# KiCad board Inn BEC Panelized_panelized.kicad_pcb (continued)
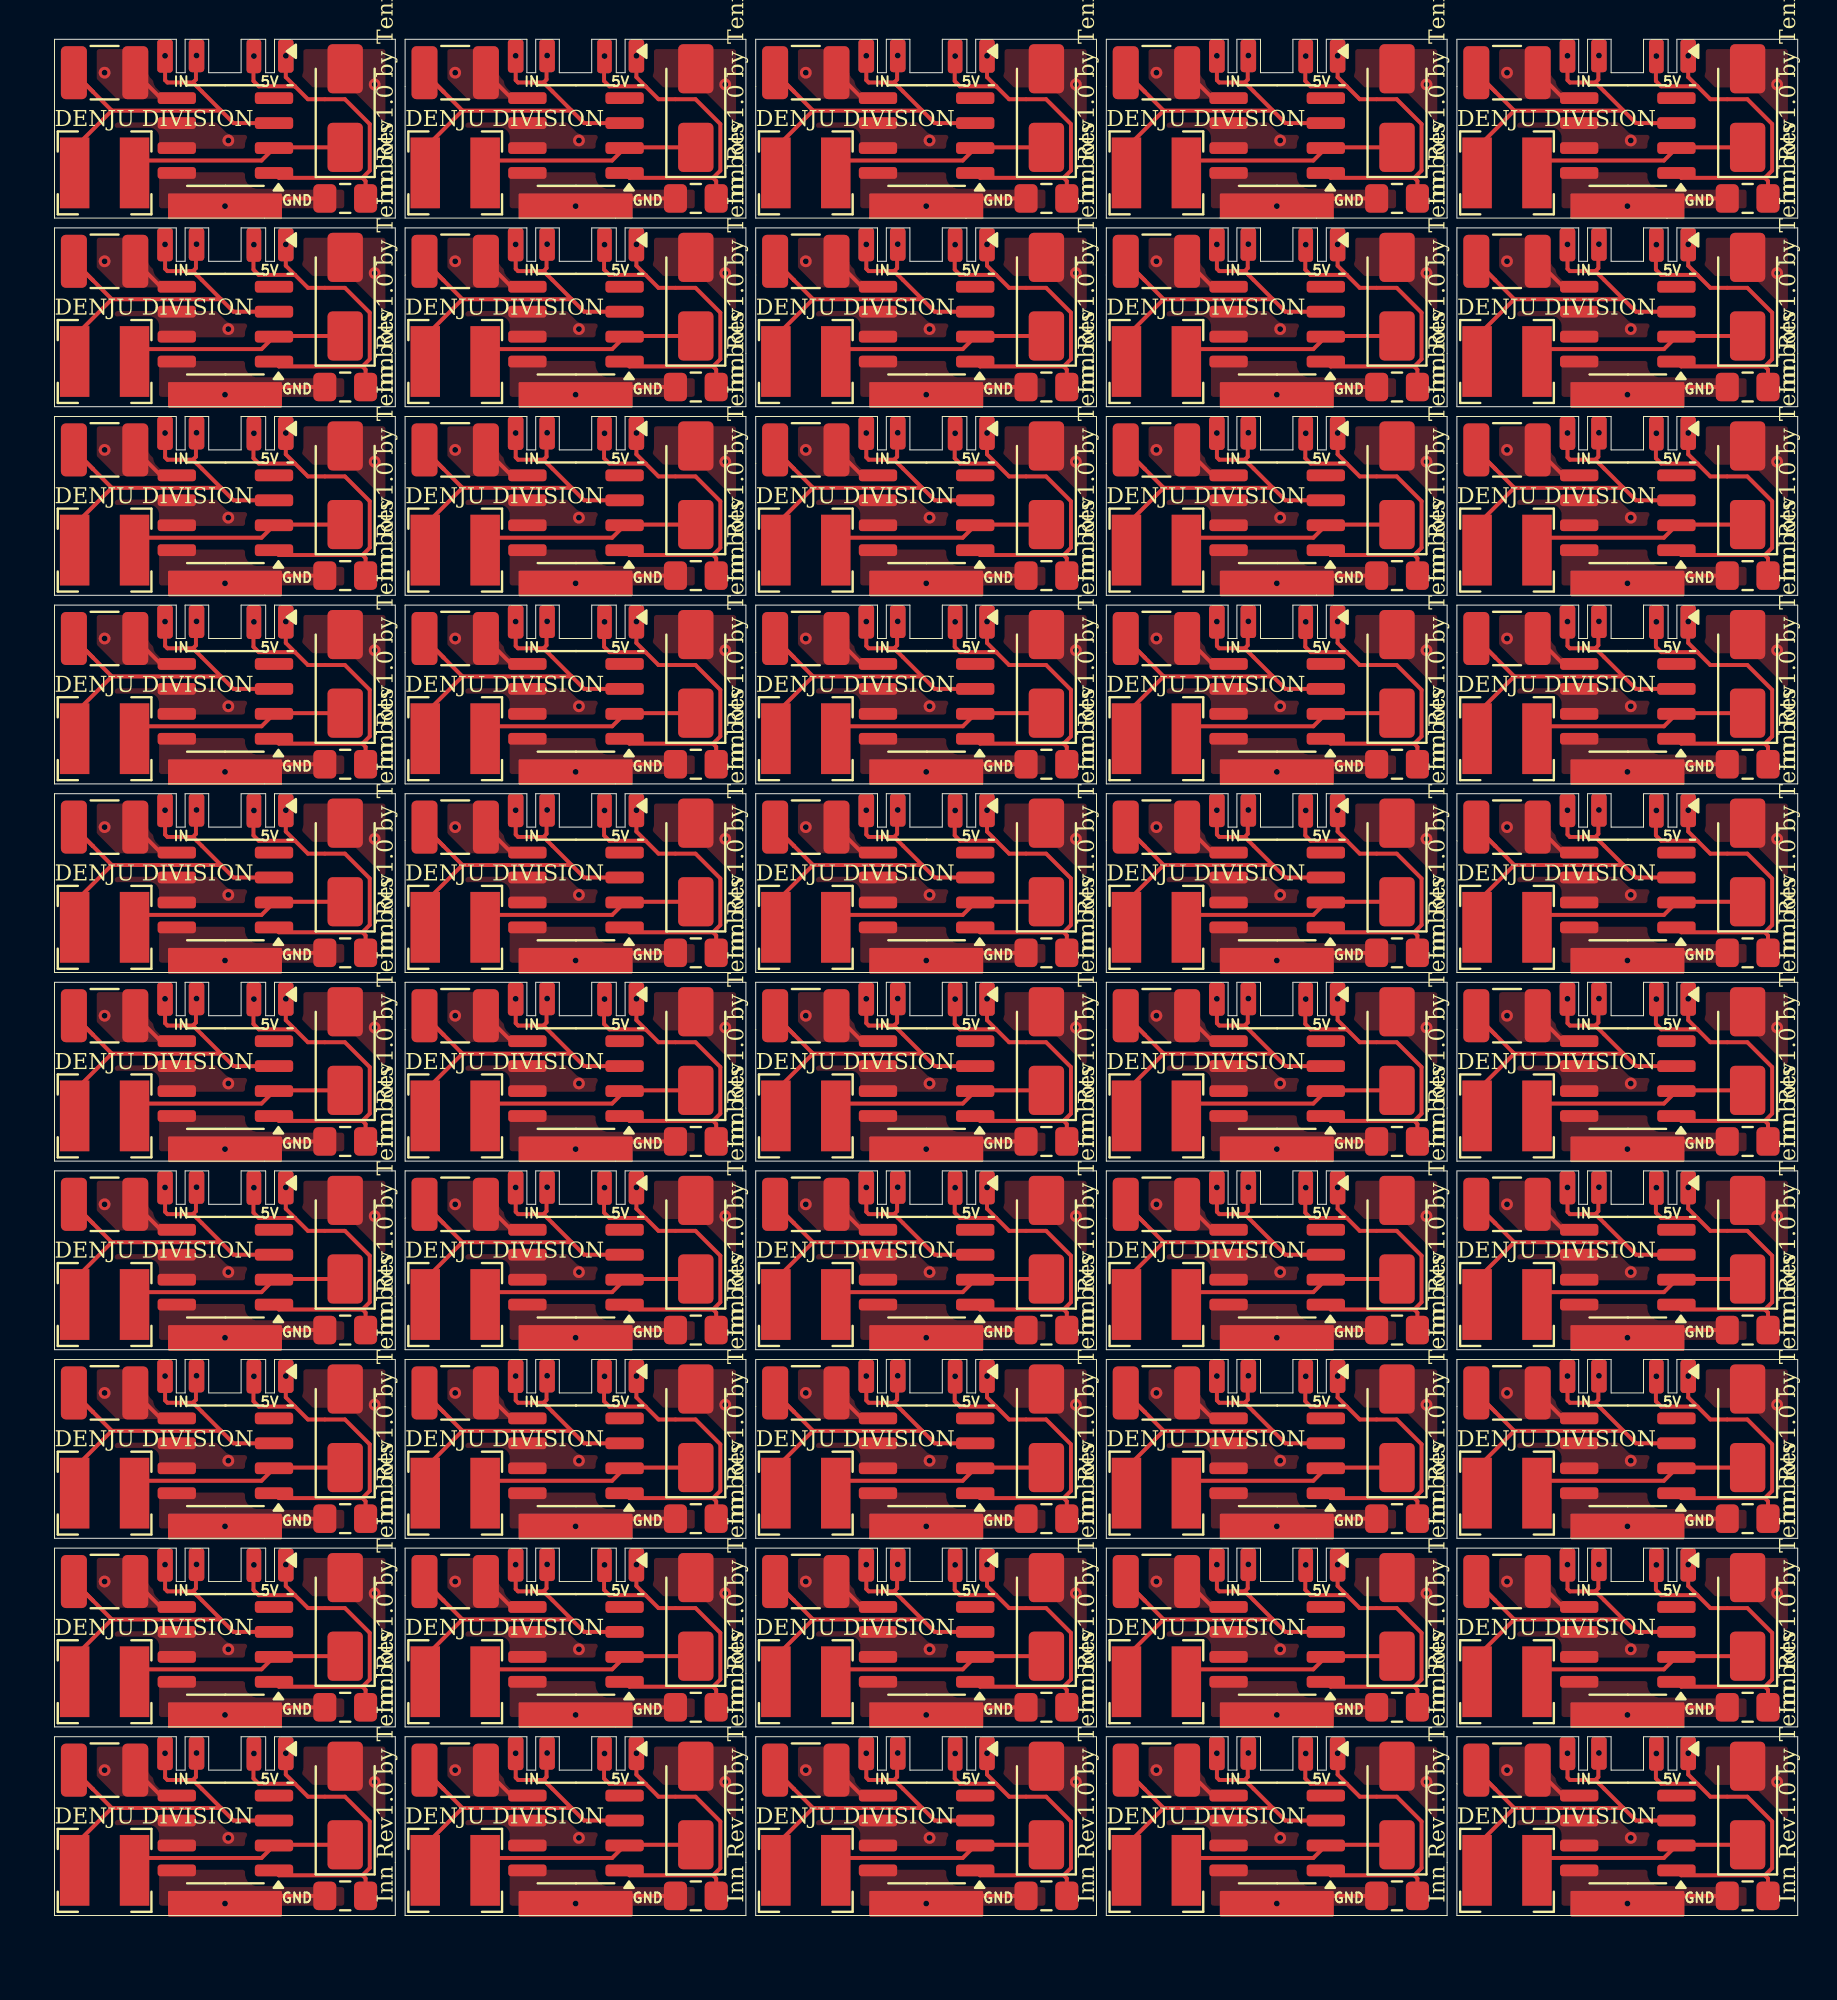
[diagram p0: board, top side]
## Routing (per net, layer and track width the routed paths; a pad name or vN(x,y) marks a point on that pad's centre or on a via; arc(x,y) is an arc through that point) (continued)
Net-(J1-Pin_3): length 1137.4
  Top w0.2: 24.9,74.1 26.33,72.67 ; 24.9,74.1 23.6,74.1 23.48,74.22 23.48,75.46 v1(23.48,75.46) ; 24.9,74.1 25.05,74.25 25.05,75.23 25.08,75.26 v1(25.08,75.47) ; 38.62,34.27 44.18,34.27 ; 38.62,34.27 36.72,32.38 L1#38.2 ; 38.62,34.27 37.65,35.23 ; 44.18,34.27 44.81,33.63 U1#17.3 ; 44.18,34.27 42.75,35.7 ; v1(42.93,65.87) 42.93,65.66 42.9,65.63 42.9,64.65 42.75,64.5 ; 24.9,35.7 25.05,35.85 25.05,36.83 25.08,36.86 v1(25.08,37.07) ; 24.9,35.7 26.33,34.27 ; 24.9,35.7 23.6,35.7 23.48,35.82 23.48,37.06 v1(23.48,37.06) ; v1(41.33,27.46) 41.33,27.46 41.33,26.22 41.45,26.1 42.75,26.1 ; L1#27.2 1.02,61.18 2.92,63.07 ; 20.77,5.47 18.88,3.58 L1#48.2 ; 20.77,5.47 19.8,6.44 ; 20.77,5.47 26.33,5.47 ; 44.18,24.67 42.75,26.1 ; 44.18,24.67 44.81,24.03 U1#48.3 ; 44.18,24.67 38.62,24.67 ; 44.18,82.27 42.75,83.7 ; 44.18,82.27 38.62,82.27 ; 44.18,82.27 44.81,81.63 U1#49.3 ; L1#45.2 18.88,70.78 20.77,72.67 ; 24.9,54.9 26.33,53.47 ; 24.9,54.9 23.6,54.9 23.48,55.02 23.48,56.26 v1(23.48,56.26) ; 24.9,54.9 25.05,55.05 25.05,56.03 25.08,56.06 v1(25.08,56.27) ; 73.35,35.23 C1#33.1 73.35,35.23 ; 73.35,35.23 74.32,34.27 ; 78.45,54.9 79.88,53.47 ; 78.45,54.9 78.6,55.05 78.6,56.03 78.63,56.06 v1(78.63,56.27) ; 78.45,54.9 77.15,54.9 77.03,55.02 77.03,56.26 v1(77.03,56.26) ; 19.8,35.23 20.77,34.27 ; 19.8,35.23 C1#16.1 19.8,35.23 ; 20.77,34.27 26.33,34.27 ; 20.77,34.27 18.88,32.38 L1#25.2 ; v1(78.63,17.87) 78.63,17.66 78.6,17.63 78.6,16.65 78.45,16.5 ; 44.18,53.47 44.81,52.83 U1#16.3 ; 44.18,53.47 42.75,54.9 ; 44.18,53.47 38.62,53.47 ; 60.6,74.1 59.3,74.1 59.18,74.22 59.18,75.46 v1(59.18,75.46) ; 60.6,74.1 60.75,74.25 60.75,75.23 60.78,75.26 v1(60.78,75.47) ; 60.6,74.1 62.03,72.67 ; v1(78.63,85.07) 78.63,84.86 78.6,84.83 78.6,83.85 78.45,83.7 ; 1.95,54.43 2.92,53.47 ; 1.95,54.43 C1#21.1 1.95,54.43 ; 2.92,53.47 8.48,53.47 ; 2.92,53.47 1.02,51.58 L1#42.2 ; v1(59.18,56.26) 59.18,56.26 59.18,55.02 59.3,54.9 60.6,54.9 ; 62.03,63.07 62.66,62.43 U1#42.3 ; 62.03,63.07 56.47,63.07 ; 62.03,63.07 60.6,64.5 ; 73.35,6.44 C1#6.1 73.35,6.44 ; 73.35,6.44 74.32,5.47 ; 42.75,93.3 41.45,93.3 41.33,93.42 41.33,94.66 v1(41.33,94.66) ; 42.75,93.3 42.9,93.45 42.9,94.43 42.93,94.46 v1(42.93,94.67) ; 42.75,93.3 44.18,91.87 ; v1(25.08,27.47) 25.08,27.26 25.05,27.23 25.05,26.25 24.9,26.1 ; 26.33,72.67 26.96,72.03 U1#50.3 ; 26.33,72.67 20.77,72.67 ; U1#15.3 80.51,52.83 79.88,53.47 ; v1(7.23,94.67) 7.23,94.46 7.2,94.43 7.2,93.45 7.05,93.3 ; 55.5,6.44 C1#22.1 55.5,6.44 ; 55.5,6.44 56.47,5.47 ; 56.47,63.07 54.58,61.18 L1#12.2 ; 56.47,63.07 55.5,64.03 ; L1#5.2 18.88,22.78 20.77,24.67 ; L1#13.2 18.88,80.38 20.77,82.27 ; U1#37.3 80.51,81.63 79.88,82.27 ; v1(7.23,56.27) 7.23,56.06 7.2,56.03 7.2,55.05 7.05,54.9 ; 37.65,83.23 C1#9.1 37.65,83.23 ; 37.65,83.23 38.62,82.27 ; U1#32.3 26.96,14.44 26.33,15.07 ; L1#46.2 1.02,80.38 2.92,82.27 ; 19.8,92.83 20.77,91.87 ; 19.8,92.83 C1#49.1 19.8,92.83 ; 20.77,91.87 18.88,89.98 L1#43.2 ; 20.77,91.87 26.33,91.87 ; v1(7.23,37.07) 7.23,36.86 7.2,36.83 7.2,35.85 7.05,35.7 ; 38.62,63.07 44.18,63.07 ; 38.62,63.07 37.65,64.03 ; 38.62,63.07 36.72,61.18 L1#34.2 ; 44.18,63.07 42.75,64.5 ; 44.18,63.07 44.81,62.43 U1#38.3 ; 78.45,6.9 77.15,6.9 77.03,7.02 77.03,8.26 v1(77.03,8.26) ; 78.45,6.9 79.88,5.47 ; 78.45,6.9 78.6,7.05 78.6,8.03 78.63,8.06 v1(78.63,8.27) ; 79.88,82.27 74.32,82.27 ; 79.88,82.27 78.45,83.7 ; 38.62,53.47 36.72,51.58 L1#44.2 ; 38.62,53.47 37.65,54.43 ; v1(77.03,65.86) 77.03,65.86 77.03,64.62 77.15,64.5 78.45,64.5 ; v1(5.63,17.86) 5.63,17.86 5.63,16.62 5.75,16.5 7.05,16.5 ; 8.48,53.47 7.05,54.9 ; 8.48,53.47 9.11,52.83 U1#30.3 ; 2.92,82.27 8.48,82.27 ; 2.92,82.27 1.95,83.23 ; 8.48,82.27 7.05,83.7 ; 8.48,82.27 9.11,81.63 U1#3.3 ; v1(59.18,46.66) 59.18,46.66 59.18,45.42 59.3,45.3 60.6,45.3 ; 60.6,45.3 60.75,45.45 60.75,46.43 60.78,46.46 v1(60.78,46.67) ; 60.6,45.3 62.03,43.87 ; 2.92,43.87 1.02,41.98 L1.2 ; 2.92,43.87 1.95,44.83 ; 2.92,43.87 8.48,43.87 ; 7.05,64.5 8.48,63.07 ; 7.05,64.5 7.2,64.65 7.2,65.63 7.23,65.66 v1(7.23,65.87) ; 7.05,64.5 5.75,64.5 5.63,64.62 5.63,65.86 v1(5.63,65.86) ; 24.9,64.5 23.6,64.5 23.48,64.62 23.48,65.86 v1(23.48,65.86) ; 24.9,64.5 25.05,64.65 25.05,65.63 25.08,65.66 v1(25.08,65.87) ; 24.9,64.5 26.33,63.07 ; 26.33,43.87 26.96,43.23 U1#27.3 ; 26.33,43.87 20.77,43.87 ; 26.33,43.87 24.9,45.3 ; v1(5.63,75.46) 5.63,75.46 5.63,74.22 5.75,74.1 7.05,74.1 ; U1#20.3 26.96,62.43 26.33,63.07 ; 78.45,35.7 79.88,34.27 ; 78.45,35.7 77.15,35.7 77.03,35.82 77.03,37.06 v1(77.03,37.06) ; 78.45,35.7 78.6,35.85 78.6,36.83 78.63,36.86 v1(78.63,37.07) ; 26.33,82.27 24.9,83.7 ; 26.33,82.27 26.96,81.63 U1#34.3 ; 26.33,82.27 20.77,82.27 ; U1#33.3 62.66,43.23 62.03,43.87 ; 79.88,5.47 80.51,4.83 U1#22.3 ; 79.88,5.47 74.32,5.47 ; U1#47.3 80.51,24.03 79.88,24.67 ; 38.62,82.27 36.72,80.38 L1#2.2 ; v1(60.78,94.67) 60.78,94.46 60.75,94.43 60.75,93.45 60.6,93.3 ; 74.32,63.07 79.88,63.07 ; 74.32,63.07 72.42,61.18 L1#30.2 ; 74.32,63.07 73.35,64.03 ; 79.88,63.07 78.45,64.5 ; 79.88,63.07 80.51,62.43 U1#13.3 ; 55.5,83.23 56.47,82.27 ; 55.5,83.23 C1#23.1 55.5,83.23 ; 56.47,82.27 62.03,82.27 ; 56.47,82.27 54.58,80.38 L1#11.2 ; 1.95,6.44 2.92,5.47 ; 1.95,6.44 C1#29.1 1.95,6.44 ; 2.92,5.47 8.48,5.47 ; 2.92,5.47 1.02,3.58 L1#20.2 ; 1.95,92.83 C1#42.1 1.95,92.83 ; 1.95,92.83 2.92,91.87 ; 1.95,44.83 C1#8.1 1.95,44.83 ; 37.65,16.03 C1#46.1 37.65,16.03 ; 37.65,16.03 38.62,15.07 ; 37.65,92.83 C1#31.1 37.65,92.83 ; 37.65,92.83 38.62,91.87 ; 19.8,6.44 C1#26.1 19.8,6.44 ; 7.05,6.9 7.2,7.05 7.2,8.03 7.23,8.06 v1(7.23,8.27) ; 7.05,6.9 5.75,6.9 5.63,7.02 5.63,8.26 v1(5.63,8.26) ; 7.05,6.9 8.48,5.47 ; 7.05,35.7 5.75,35.7 5.63,35.82 5.63,37.06 v1(5.63,37.06) ; 7.05,35.7 8.48,34.27 ; 26.33,53.47 26.96,52.83 U1#6.3 ; 26.33,53.47 20.77,53.47 ; 42.75,54.9 41.45,54.9 41.33,55.02 41.33,56.26 v1(41.33,56.26) ; 42.75,54.9 42.9,55.05 42.9,56.03 42.93,56.06 v1(42.93,56.27) ; 62.03,72.67 62.66,72.03 U1#41.3 ; 62.03,72.67 56.47,72.67 ; 19.8,16.03 C1#34.1 19.8,16.03 ; 19.8,16.03 20.77,15.07 ; 24.9,45.3 25.05,45.45 25.05,46.43 25.08,46.46 v1(25.08,46.67) ; 24.9,45.3 23.6,45.3 23.48,45.42 23.48,46.66 v1(23.48,46.66) ; 19.8,83.23 C1#20.1 19.8,83.23 ; 19.8,83.23 20.77,82.27 ; 2.92,72.67 1.02,70.78 L1#39.2 ; 2.92,72.67 1.95,73.63 ; 2.92,72.67 8.48,72.67 ; 24.9,26.1 26.33,24.67 ; 24.9,26.1 23.6,26.1 23.48,26.22 23.48,27.46 v1(23.48,27.46) ; 56.47,5.47 62.03,5.47 ; 56.47,5.47 54.58,3.58 L1#26.2 ; 62.03,5.47 62.66,4.83 U1#21.3 ; 62.03,5.47 60.6,6.9 ; U1#10.3 9.11,62.43 8.48,63.07 ; U1#19.3 80.51,72.03 79.88,72.67 ; 79.88,15.07 78.45,16.5 ; 79.88,15.07 80.51,14.44 U1#43.3 ; 79.88,15.07 74.32,15.07 ; 38.62,5.47 44.18,5.47 ; 38.62,5.47 37.65,6.44 ; 38.62,5.47 36.72,3.58 L1#28.2 ; 44.18,5.47 44.81,4.83 U1#7.3 ; 44.18,5.47 42.75,6.9 ; 7.05,16.5 7.2,16.65 7.2,17.63 7.23,17.66 v1(7.23,17.87) ; 7.05,16.5 8.48,15.07 ; 56.47,91.87 62.03,91.87 ; 56.47,91.87 54.58,89.98 L1#31.2 ; 56.47,91.87 55.5,92.83 ; 62.03,91.87 60.6,93.3 ; 62.03,91.87 62.66,91.23 U1#9.3 ; 42.75,16.5 42.9,16.65 42.9,17.63 42.93,17.66 v1(42.93,17.87) ; 42.75,16.5 44.18,15.07 ; 42.75,16.5 41.45,16.5 41.33,16.62 41.33,17.86 v1(41.33,17.86) ; 2.92,34.27 8.48,34.27 ; 2.92,34.27 1.02,32.38 L1#23.2 ; 2.92,34.27 1.95,35.23 ; 8.48,34.27 9.11,33.63 U1#24.3 ; L1#29.2 72.42,89.98 74.32,91.87 ; 79.88,34.27 80.51,33.63 U1#44.3 ; 79.88,34.27 74.32,34.27 ; 55.5,92.83 C1#2.1 55.5,92.83 ; 60.6,93.3 59.3,93.3 59.18,93.42 59.18,94.66 v1(59.18,94.66) ; 26.33,5.47 26.96,4.83 U1#35.3 ; 26.33,5.47 24.9,6.9 ; 38.62,24.67 37.65,25.63 ; 38.62,24.67 36.72,22.78 L1#33.2 ; 19.8,73.63 C1#5.1 19.8,73.63 ; 19.8,73.63 20.77,72.67 ; 19.8,25.63 C1#35.1 19.8,25.63 ; 19.8,25.63 20.77,24.67 ; 73.35,16.03 C1#38.1 73.35,16.03 ; 73.35,16.03 74.32,15.07 ; 74.32,5.47 72.42,3.58 L1#14.2 ; 62.03,24.67 62.66,24.03 U1#45.3 ; 62.03,24.67 56.47,24.67 ; 62.03,24.67 60.6,26.1 ; 74.32,53.47 72.42,51.58 L1#3.2 ; 74.32,53.47 79.88,53.47 ; 74.32,53.47 73.35,54.43 ; 55.5,54.43 56.47,53.47 ; 55.5,54.43 C1#30.1 55.5,54.43 ; 56.47,53.47 54.58,51.58 L1#47.2 ; 56.47,53.47 62.03,53.47 ; 24.9,83.7 23.6,83.7 23.48,83.82 23.48,85.06 v1(23.48,85.06) ; 24.9,83.7 25.05,83.85 25.05,84.83 25.08,84.86 v1(25.08,85.07) ; 55.5,64.03 C1#37.1 55.5,64.03 ; 78.45,16.5 77.15,16.5 77.03,16.62 77.03,17.86 v1(77.03,17.86) ; 8.48,91.87 7.05,93.3 ; 8.48,91.87 2.92,91.87 ; 8.48,91.87 9.11,91.23 U1#8.3 ; 56.47,24.67 55.5,25.63 ; 56.47,24.67 54.58,22.78 L1#18.2 ; 73.35,54.43 C1#12.1 73.35,54.43 ; 62.03,82.27 60.6,83.7 ; 62.03,82.27 62.66,81.63 U1#31.3 ; v1(41.33,75.46) 41.33,75.46 41.33,74.22 41.45,74.1 42.75,74.1 ; v1(59.18,85.06) 59.18,85.06 59.18,83.82 59.3,83.7 60.6,83.7 ; v1(59.18,17.86) 59.18,17.86 59.18,16.62 59.3,16.5 60.6,16.5 ; 60.6,26.1 60.75,26.25 60.75,27.23 60.78,27.26 v1(60.78,27.47) ; 60.6,26.1 59.3,26.1 59.18,26.22 59.18,27.46 v1(59.18,27.46) ; 42.75,6.9 42.9,7.05 42.9,8.03 42.93,8.06 v1(42.93,8.27) ; 42.75,6.9 41.45,6.9 41.33,7.02 41.33,8.26 v1(41.33,8.26) ; 42.75,83.7 42.9,83.85 42.9,84.83 42.93,84.86 v1(42.93,85.07) ; 42.75,83.7 41.45,83.7 41.33,83.82 41.33,85.06 v1(41.33,85.06) ; 20.77,15.07 26.33,15.07 ; 20.77,15.07 18.88,13.18 L1#6.2 ; v1(60.78,8.27) 60.78,8.06 60.75,8.03 60.75,7.05 60.6,6.9 ; U1#29.3 9.11,43.23 8.48,43.87 ; 79.88,43.87 80.51,43.23 U1#28.3 ; 79.88,43.87 74.32,43.87 ; 79.88,43.87 78.45,45.3 ; L1#16.2 18.88,51.58 20.77,53.47 ; 8.48,24.67 9.11,24.03 U1#40.3 ; 8.48,24.67 2.92,24.67 ; 8.48,24.67 7.05,26.1 ; v1(77.03,27.46) 77.03,27.46 77.03,26.22 77.15,26.1 78.45,26.1 ; 26.33,15.07 24.9,16.5 ; 73.35,25.63 C1#15.1 73.35,25.63 ; 73.35,25.63 74.32,24.67 ; 42.75,74.1 42.9,74.25 42.9,75.23 42.93,75.26 v1(42.93,75.47) ; 42.75,74.1 44.18,72.67 ; 62.03,34.27 60.6,35.7 ; 62.03,34.27 56.47,34.27 ; 62.03,34.27 62.66,33.63 U1#18.3 ; v1(59.18,8.26) 59.18,8.26 59.18,7.02 59.3,6.9 60.6,6.9 ; 55.5,35.23 C1#18.1 55.5,35.23 ; 55.5,35.23 56.47,34.27 ; U1#25.3 9.11,4.83 8.48,5.47 ; v1(23.48,8.26) 23.48,8.26 23.48,7.02 23.6,6.9 24.9,6.9 ; 38.62,72.67 44.18,72.67 ; 38.62,72.67 37.65,73.63 ; 38.62,72.67 36.72,70.78 L1#41.2 ; 44.18,72.67 44.81,72.03 U1#4.3 ; U1#36.3 26.96,24.03 26.33,24.67 ; 37.65,6.44 C1#10.1 37.65,6.44 ; 8.48,63.07 2.92,63.07 ; 19.8,44.83 20.77,43.87 ; 19.8,44.83 C1#4.1 19.8,44.83 ; 20.77,43.87 18.88,41.98 L1#35.2 ; 74.32,24.67 72.42,22.78 L1#49.2 ; 74.32,24.67 79.88,24.67 ; 1.95,25.63 C1#19.1 1.95,25.63 ; 1.95,25.63 2.92,24.67 ; 26.33,34.27 26.96,33.63 U1#26.3 ; 79.88,24.67 78.45,26.1 ; v1(41.33,65.86) 41.33,65.86 41.33,64.62 41.45,64.5 42.75,64.5 ; 19.8,64.03 C1#36.1 19.8,64.03 ; 19.8,64.03 20.77,63.07 ; 42.75,35.7 41.45,35.7 41.33,35.82 41.33,37.06 v1(41.33,37.06) ; 42.75,35.7 42.9,35.85 42.9,36.83 42.93,36.86 v1(42.93,37.07) ; 7.05,83.7 5.75,83.7 5.63,83.82 5.63,85.06 v1(5.63,85.06) ; 7.05,83.7 7.2,83.85 7.2,84.83 7.23,84.86 v1(7.23,85.07) ; 62.03,43.87 56.47,43.87 ; 42.75,26.1 42.9,26.25 42.9,27.23 42.93,27.26 v1(42.93,27.47) ; 37.65,54.43 C1#41.1 37.65,54.43 ; U1#46.3 9.11,14.44 8.48,15.07 ; 73.35,83.23 C1#47.1 73.35,83.23 ; 73.35,83.23 74.32,82.27 ; 74.32,91.87 79.88,91.87 ; 74.32,91.87 73.35,92.83 ; 79.88,91.87 78.45,93.3 ; 79.88,91.87 80.51,91.23 U1#39.3 ; v1(60.78,37.07) 60.78,36.86 60.75,36.83 60.75,35.85 60.6,35.7 ; 73.35,64.03 C1#45.1 73.35,64.03 ; v1(78.63,94.67) 78.63,94.46 78.6,94.43 78.6,93.45 78.45,93.3 ; 7.05,26.1 7.2,26.25 7.2,27.23 7.23,27.26 v1(7.23,27.47) ; 7.05,26.1 5.75,26.1 5.63,26.22 5.63,27.46 v1(5.63,27.46) ; L1#4.2 54.58,32.38 56.47,34.27 ; 26.33,63.07 20.77,63.07 ; 78.45,64.5 78.6,64.65 78.6,65.63 78.63,65.66 v1(78.63,65.87) ; v1(25.08,17.87) 25.08,17.66 25.05,17.63 25.05,16.65 24.9,16.5 ; 2.92,91.87 1.02,89.98 L1#24.2 ; 37.65,44.83 38.62,43.87 ; 37.65,44.83 C1#32.1 37.65,44.83 ; 38.62,43.87 36.72,41.98 L1#50.2 ; 38.62,43.87 44.18,43.87 ; 8.48,72.67 7.05,74.1 ; 8.48,72.67 9.11,72.03 U1#5.3 ; 38.62,15.07 44.18,15.07 ; 38.62,15.07 36.72,13.18 L1#40.2 ; 44.18,15.07 44.81,14.44 U1#2.3 ; L1#8.2 36.72,89.98 38.62,91.87 ; 20.77,53.47 19.8,54.43 ; 60.6,16.5 60.75,16.65 60.75,17.63 60.78,17.66 v1(60.78,17.87) ; 60.6,16.5 62.03,15.07 ; 74.32,15.07 72.42,13.18 L1#36.2 ; 7.05,93.3 5.75,93.3 5.63,93.42 5.63,94.66 v1(5.63,94.66) ; v1(23.48,94.66) 23.48,94.66 23.48,93.42 23.6,93.3 24.9,93.3 ; 2.92,15.07 1.02,13.18 L1#22.2 ; 2.92,15.07 8.48,15.07 ; 2.92,15.07 1.95,16.03 ; 44.18,43.87 42.75,45.3 ; 44.18,43.87 44.81,43.23 U1#23.3 ; L1#7.2 72.42,32.38 74.32,34.27 ; v1(77.03,94.66) 77.03,94.66 77.03,93.42 77.15,93.3 78.45,93.3 ; 73.35,44.83 74.32,43.87 ; 73.35,44.83 C1#28.1 73.35,44.83 ; 74.32,43.87 72.42,41.98 L1#21.2 ; v1(60.78,85.07) 60.78,84.86 60.75,84.83 60.75,83.85 60.6,83.7 ; 78.45,45.3 78.6,45.45 78.6,46.43 78.63,46.46 v1(78.63,46.67) ; 78.45,45.3 77.15,45.3 77.03,45.42 77.03,46.66 v1(77.03,46.66) ; 2.92,63.07 1.95,64.03 ; 2.92,24.67 1.02,22.78 L1#37.2 ; 1.95,35.23 C1.1 1.95,35.23 ; v1(25.08,94.67) 25.08,94.46 25.05,94.43 25.05,93.45 24.9,93.3 ; 1.95,73.63 C1#50.1 1.95,73.63 ; 37.65,35.23 C1#27.1 37.65,35.23 ; 37.65,73.63 C1#14.1 37.65,73.63 ; 55.5,25.63 C1#48.1 55.5,25.63 ; 79.88,72.67 74.32,72.67 ; 79.88,72.67 78.45,74.1 ; 19.8,54.43 C1#7.1 19.8,54.43 ; 42.75,45.3 42.9,45.45 42.9,46.43 42.93,46.46 v1(42.93,46.67) ; 42.75,45.3 41.45,45.3 41.33,45.42 41.33,46.66 v1(41.33,46.66) ; 55.5,16.03 C1#11.1 55.5,16.03 ; 55.5,16.03 56.47,15.07 ; v1(7.23,46.67) 7.23,46.46 7.2,46.43 7.2,45.45 7.05,45.3 ; 78.45,83.7 77.15,83.7 77.03,83.82 77.03,85.06 v1(77.03,85.06) ; 20.77,63.07 18.88,61.18 L1#15.2 ; 78.45,74.1 77.15,74.1 77.03,74.22 77.03,75.46 v1(77.03,75.46) ; 78.45,74.1 78.6,74.25 78.6,75.23 78.63,75.26 v1(78.63,75.47) ; 78.45,26.1 78.6,26.25 78.6,27.23 78.63,27.26 v1(78.63,27.47) ; v1(7.23,75.47) 7.23,75.26 7.2,75.23 7.2,74.25 7.05,74.1 ; 56.47,43.87 54.58,41.98 L1#9.2 ; 56.47,43.87 55.5,44.83 ; 8.48,43.87 7.05,45.3 ; 55.5,73.63 C1#17.1 55.5,73.63 ; 55.5,73.63 56.47,72.67 ; 37.65,25.63 C1#3.1 37.65,25.63 ; 44.18,91.87 44.81,91.23 U1#11.3 ; 44.18,91.87 38.62,91.87 ; 24.9,6.9 25.05,7.05 25.05,8.03 25.08,8.06 v1(25.08,8.27) ; v1(59.18,37.06) 59.18,37.06 59.18,35.82 59.3,35.7 60.6,35.7 ; 1.95,83.23 C1#40.1 1.95,83.23 ; 74.32,82.27 72.42,80.38 L1#10.2 ; 7.05,54.9 5.75,54.9 5.63,55.02 5.63,56.26 v1(5.63,56.26) ; U1#12.3 62.66,52.83 62.03,53.47 ; 1.95,64.03 C1#44.1 1.95,64.03 ; 37.65,64.03 C1#13.1 37.65,64.03 ; 60.6,54.9 60.75,55.05 60.75,56.03 60.78,56.06 v1(60.78,56.27) ; 60.6,54.9 62.03,53.47 ; U1#14.3 62.66,14.44 62.03,15.07 ; L1#19.2 72.42,70.78 74.32,72.67 ; 24.9,93.3 26.33,91.87 ; 1.95,16.03 C1#39.1 1.95,16.03 ; v1(23.48,17.86) 23.48,17.86 23.48,16.62 23.6,16.5 24.9,16.5 ; v1(60.78,65.87) 60.78,65.66 60.75,65.63 60.75,64.65 60.6,64.5 ; 73.35,73.63 74.32,72.67 ; 73.35,73.63 C1#43.1 73.35,73.63 ; 20.77,24.67 26.33,24.67 ; U1.3 26.96,91.23 26.33,91.87 ; v1(59.18,65.86) 59.18,65.86 59.18,64.62 59.3,64.5 60.6,64.5 ; 56.47,72.67 54.58,70.78 L1#17.2 ; 7.05,45.3 5.75,45.3 5.63,45.42 5.63,46.66 v1(5.63,46.66) ; 73.35,92.83 C1#25.1 73.35,92.83 ; 55.5,44.83 C1#24.1 55.5,44.83 ; 62.03,15.07 56.47,15.07 ; 56.47,15.07 54.58,13.18 L1#32.2

## Copper pours and planes (outline as drawn; the poured copper is in the pictures)
GND on Top, Bottom: 35.7,85.9 35.7,76.8 53.05,76.8 53.05,85.9 46.9,85.85 46.9,84.2 41.9,84.2 41.9,85.9
GND on Top, Bottom: 35.7,47.5 35.7,38.4 53.05,38.4 53.05,47.5 46.9,47.45 46.9,45.8 41.9,45.8 41.9,47.5
GND on Top, Bottom: 0,76.3 0,67.2 17.35,67.2 17.35,76.3 11.2,76.25 11.2,74.6 6.2,74.6 6.2,76.3
GND on Top, Bottom: 0,95.5 0,86.4 17.35,86.4 17.35,95.5 11.2,95.45 11.2,93.8 6.2,93.8 6.2,95.5
GND on Top, Bottom: 17.85,85.9 17.85,76.8 35.2,76.8 35.2,85.9 29.05,85.85 29.05,84.2 24.05,84.2 24.05,85.9
GND on Top, Bottom: 35.7,37.9 35.7,28.8 53.05,28.8 53.05,37.9 46.9,37.85 46.9,36.2 41.9,36.2 41.9,37.9
GND on Top, Bottom: 17.85,18.7 17.85,9.6 35.2,9.6 35.2,18.7 29.05,18.65 29.05,17 24.05,17 24.05,18.7
GND on Top, Bottom: 17.85,9.1 17.85,0 35.2,0 35.2,9.1 29.05,9.05 29.05,7.4 24.05,7.4 24.05,9.1
GND on Top, Bottom: 53.55,18.7 53.55,9.6 70.9,9.6 70.9,18.7 64.75,18.65 64.75,17 59.75,17 59.75,18.7
GND on Top, Bottom: 71.4,66.7 71.4,57.6 88.75,57.6 88.75,66.7 82.6,66.65 82.6,65 77.6,65 77.6,66.7
GND on Top, Bottom: 53.55,47.5 53.55,38.4 70.9,38.4 70.9,47.5 64.75,47.45 64.75,45.8 59.75,45.8 59.75,47.5
GND on Top, Bottom: 53.55,28.3 53.55,19.2 70.9,19.2 70.9,28.3 64.75,28.25 64.75,26.6 59.75,26.6 59.75,28.3
GND on Top, Bottom: 53.55,95.5 53.55,86.4 70.9,86.4 70.9,95.5 64.75,95.45 64.75,93.8 59.75,93.8 59.75,95.5
GND on Top, Bottom: 0,9.1 0,0 17.35,0 17.35,9.1 11.2,9.05 11.2,7.4 6.2,7.4 6.2,9.1
GND on Top, Bottom: 35.7,18.7 35.7,9.6 53.05,9.6 53.05,18.7 46.9,18.65 46.9,17 41.9,17 41.9,18.7
GND on Top, Bottom: 71.4,28.3 71.4,19.2 88.75,19.2 88.75,28.3 82.6,28.25 82.6,26.6 77.6,26.6 77.6,28.3
GND on Top, Bottom: 0,28.3 0,19.2 17.35,19.2 17.35,28.3 11.2,28.25 11.2,26.6 6.2,26.6 6.2,28.3
GND on Top, Bottom: 71.4,76.3 71.4,67.2 88.75,67.2 88.75,76.3 82.6,76.25 82.6,74.6 77.6,74.6 77.6,76.3
GND on Top, Bottom: 71.4,95.5 71.4,86.4 88.75,86.4 88.75,95.5 82.6,95.45 82.6,93.8 77.6,93.8 77.6,95.5
GND on Top, Bottom: 17.85,57.1 17.85,48 35.2,48 35.2,57.1 29.05,57.05 29.05,55.4 24.05,55.4 24.05,57.1
GND on Top, Bottom: 71.4,47.5 71.4,38.4 88.75,38.4 88.75,47.5 82.6,47.45 82.6,45.8 77.6,45.8 77.6,47.5
GND on Top, Bottom: 0,18.7 0,9.6 17.35,9.6 17.35,18.7 11.2,18.65 11.2,17 6.2,17 6.2,18.7
GND on Top, Bottom: 35.7,9.1 35.7,0 53.05,0 53.05,9.1 46.9,9.05 46.9,7.4 41.9,7.4 41.9,9.1
GND on Top, Bottom: 53.55,85.9 53.55,76.8 70.9,76.8 70.9,85.9 64.75,85.85 64.75,84.2 59.75,84.2 59.75,85.9
GND on Top, Bottom: 53.55,57.1 53.55,48 70.9,48 70.9,57.1 64.75,57.05 64.75,55.4 59.75,55.4 59.75,57.1
GND on Top, Bottom: 53.55,9.1 53.55,0 70.9,0 70.9,9.1 64.75,9.05 64.75,7.4 59.75,7.4 59.75,9.1
GND on Top, Bottom: 53.55,76.3 53.55,67.2 70.9,67.2 70.9,76.3 64.75,76.25 64.75,74.6 59.75,74.6 59.75,76.3
GND on Top, Bottom: 17.85,76.3 17.85,67.2 35.2,67.2 35.2,76.3 29.05,76.25 29.05,74.6 24.05,74.6 24.05,76.3
GND on Top, Bottom: 71.4,85.9 71.4,76.8 88.75,76.8 88.75,85.9 82.6,85.85 82.6,84.2 77.6,84.2 77.6,85.9
GND on Top, Bottom: 17.85,47.5 17.85,38.4 35.2,38.4 35.2,47.5 29.05,47.45 29.05,45.8 24.05,45.8 24.05,47.5
GND on Top, Bottom: 35.7,95.5 35.7,86.4 53.05,86.4 53.05,95.5 46.9,95.45 46.9,93.8 41.9,93.8 41.9,95.5
GND on Top, Bottom: 17.85,95.5 17.85,86.4 35.2,86.4 35.2,95.5 29.05,95.45 29.05,93.8 24.05,93.8 24.05,95.5
GND on Top, Bottom: 71.4,18.7 71.4,9.6 88.75,9.6 88.75,18.7 82.6,18.65 82.6,17 77.6,17 77.6,18.7
GND on Top, Bottom: 35.7,57.1 35.7,48 53.05,48 53.05,57.1 46.9,57.05 46.9,55.4 41.9,55.4 41.9,57.1
GND on Top, Bottom: 0,37.9 0,28.8 17.35,28.8 17.35,37.9 11.2,37.85 11.2,36.2 6.2,36.2 6.2,37.9
GND on Top, Bottom: 35.7,28.3 35.7,19.2 53.05,19.2 53.05,28.3 46.9,28.25 46.9,26.6 41.9,26.6 41.9,28.3
GND on Top, Bottom: 71.4,37.9 71.4,28.8 88.75,28.8 88.75,37.9 82.6,37.85 82.6,36.2 77.6,36.2 77.6,37.9
GND on Top, Bottom: 53.55,37.9 53.55,28.8 70.9,28.8 70.9,37.9 64.75,37.85 64.75,36.2 59.75,36.2 59.75,37.9
GND on Top, Bottom: 0,66.7 0,57.6 17.35,57.6 17.35,66.7 11.2,66.65 11.2,65 6.2,65 6.2,66.7
GND on Top, Bottom: 0,57.1 0,48 17.35,48 17.35,57.1 11.2,57.05 11.2,55.4 6.2,55.4 6.2,57.1
GND on Top, Bottom: 0,85.9 0,76.8 17.35,76.8 17.35,85.9 11.2,85.85 11.2,84.2 6.2,84.2 6.2,85.9
GND on Top, Bottom: 0,47.5 0,38.4 17.35,38.4 17.35,47.5 11.2,47.45 11.2,45.8 6.2,45.8 6.2,47.5
GND on Top, Bottom: 17.85,66.7 17.85,57.6 35.2,57.6 35.2,66.7 29.05,66.65 29.05,65 24.05,65 24.05,66.7
GND on Top, Bottom: 53.55,66.7 53.55,57.6 70.9,57.6 70.9,66.7 64.75,66.65 64.75,65 59.75,65 59.75,66.7
GND on Top, Bottom: 17.85,37.9 17.85,28.8 35.2,28.8 35.2,37.9 29.05,37.85 29.05,36.2 24.05,36.2 24.05,37.9
GND on Top, Bottom: 35.7,66.7 35.7,57.6 53.05,57.6 53.05,66.7 46.9,66.65 46.9,65 41.9,65 41.9,66.7
GND on Top, Bottom: 35.7,76.3 35.7,67.2 53.05,67.2 53.05,76.3 46.9,76.25 46.9,74.6 41.9,74.6 41.9,76.3
GND on Top, Bottom: 71.4,57.1 71.4,48 88.75,48 88.75,57.1 82.6,57.05 82.6,55.4 77.6,55.4 77.6,57.1
GND on Top, Bottom: 71.4,9.1 71.4,0 88.75,0 88.75,9.1 82.6,9.05 82.6,7.4 77.6,7.4 77.6,9.1
GND on Top, Bottom: 17.85,28.3 17.85,19.2 35.2,19.2 35.2,28.3 29.05,28.25 29.05,26.6 24.05,26.6 24.05,28.3

## Text on the board
F.Silkscreen: IN | 5V | GND | DENJU DIVISION | Inn Rev1.0 by Tenn.bots
User.19: V-SCORE
